# Altium PCB driver_V1.2.3.PcbDoc (part 2 of 2)
Units mm, origin at the board's own origin, x right, y up, seen from the top; angles counter-clockwise.
Board outline 78.1 x 196 mm, 2 copper layers (Top Layer, Bottom Layer), stack 1.58 mm thick; 265 components, 30 nets, 654 pads, 139 vias.
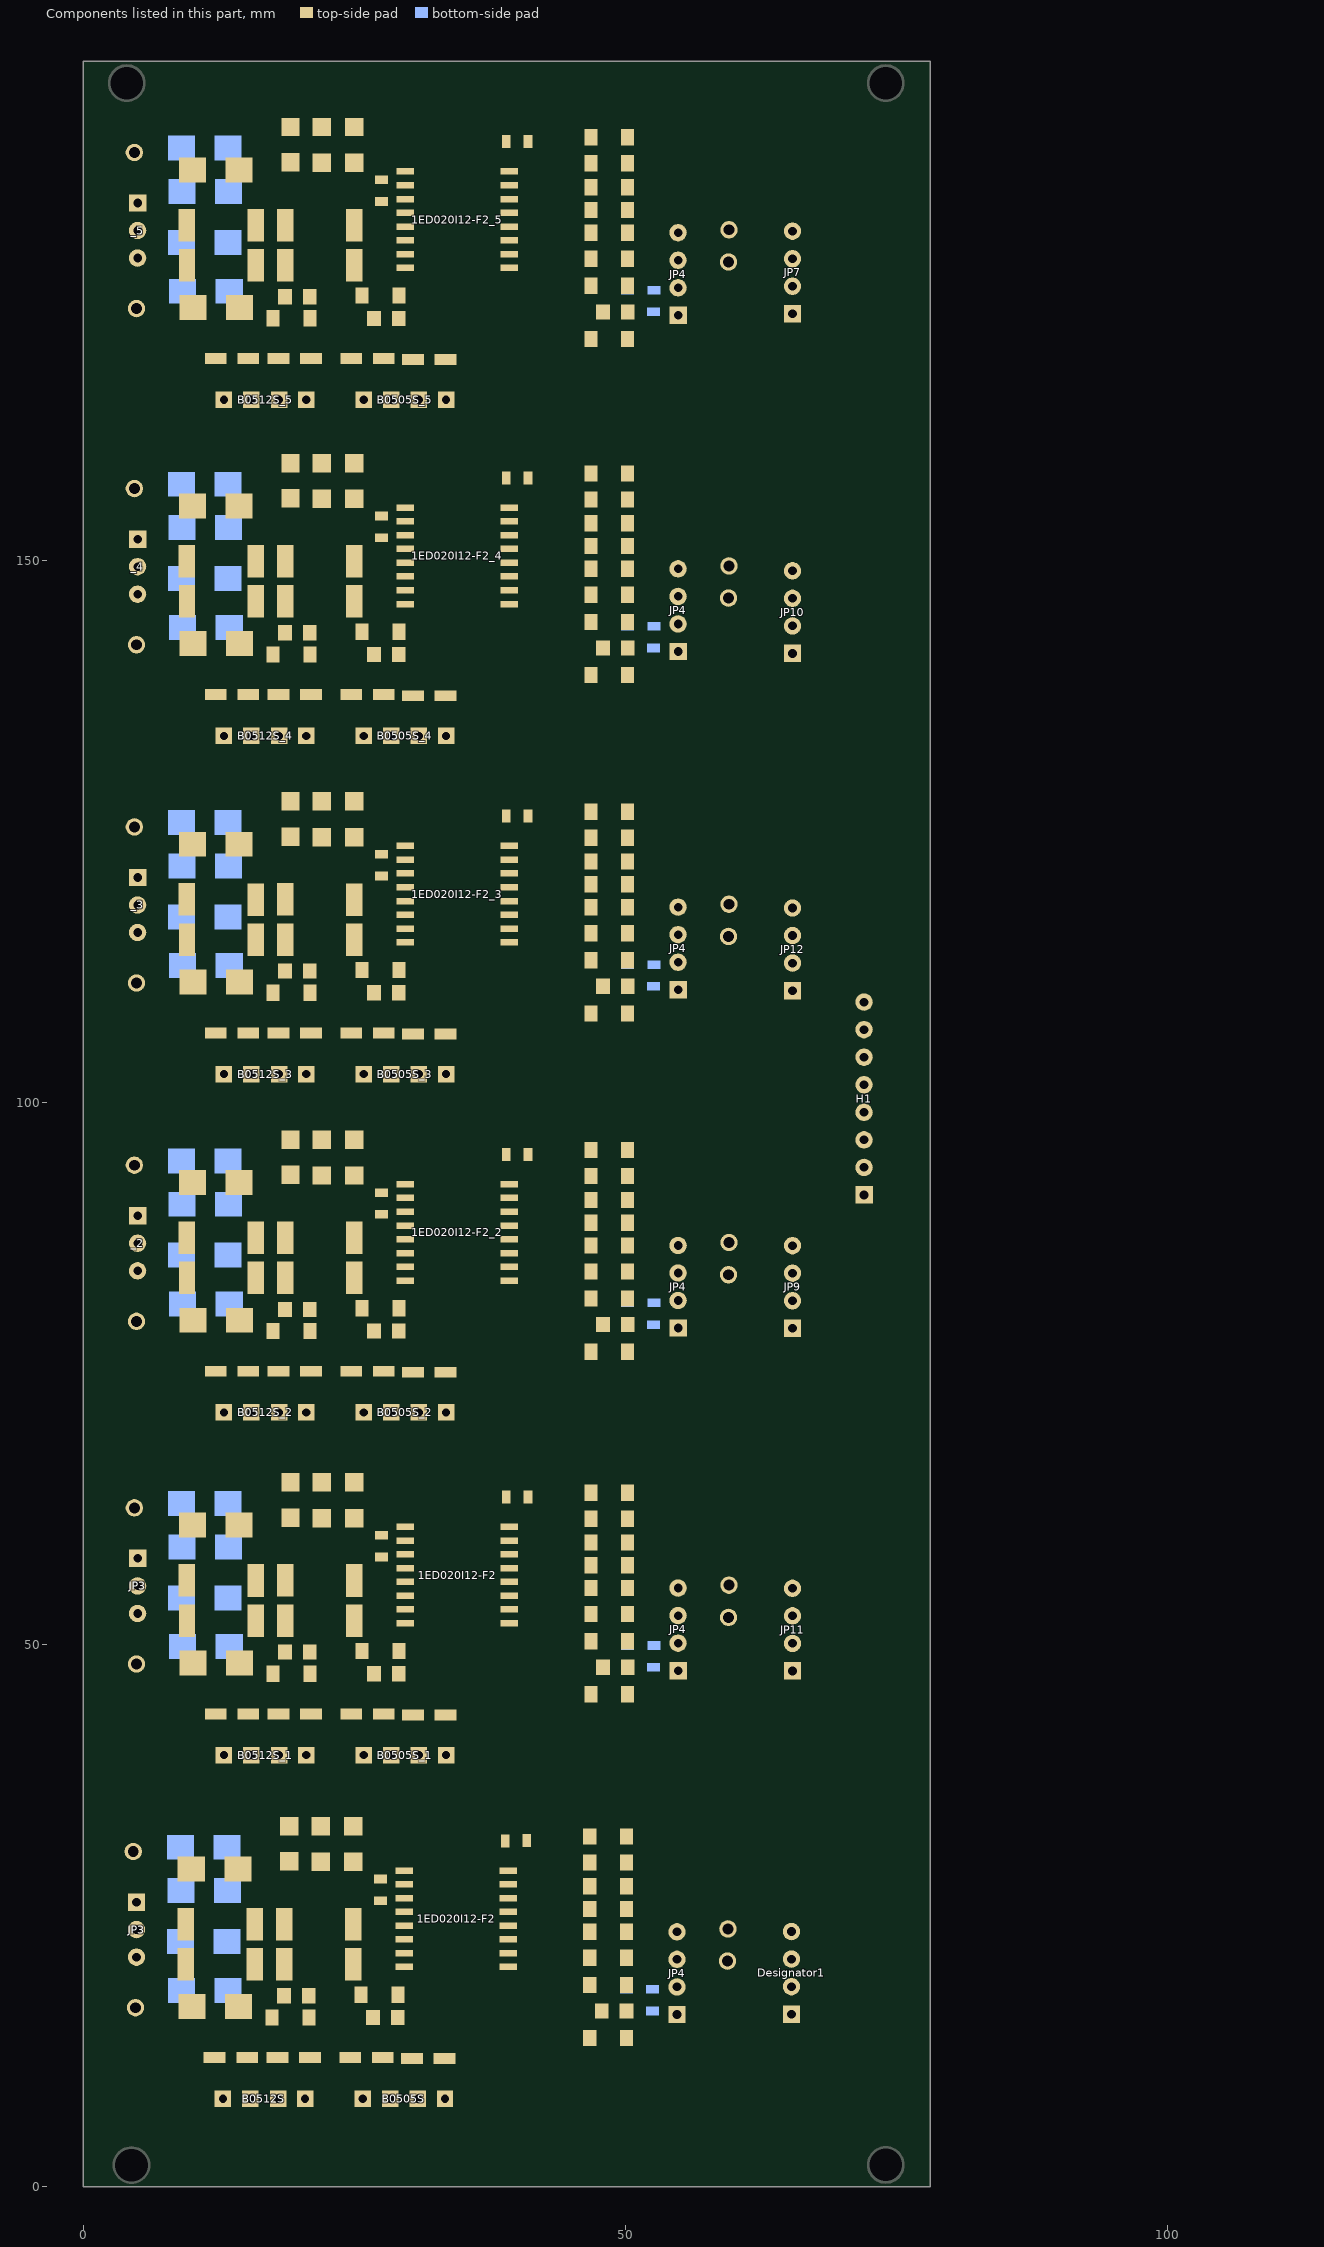
[diagram p2: the components of this part, seen from the top]

## Via types
v1: diameter 1, hole 0.7, Top Layer to Bottom Layer, 139 vias

## Nets (pads, with @x,y where several pads share a name; then routed paths per layer and width w, separated by ;. In a path a pad name is that pad's centre, name@x,y a point inside that pad or via, vN(x,y) a via of type N, cw(c..) or ccw(c..) an arc to the next point about the centre after c; other vN are vias at no path point) (continued)
copper on no net: | length 3642.2
  Top Layer w0.5: 4.9,48.2 10,48.2 10.1,48.3 11.4,49.6 11.4,51.9 12,52.5 15.9,52.5 ; 4.9,79.8 10,79.8 10.1,79.9 11.4,81.2 11.4,83.5 12,84.1 15.9,84.1 ; 4.9,111 10,111 10.1,111.1 11.4,112.4 11.4,114.7 12,115.3 15.9,115.3 ; 4.9,142.2 10,142.2 10.1,142.3 11.4,143.6 11.4,145.9 12,146.5 15.9,146.5 ; 4.9,173.2 10,173.2 10.1,173.3 11.4,174.6 11.4,176.9 12,177.5 15.9,177.5 ; 5,55.4 2,55.4 ; 5,57.94 5,60.4 5.4,60.8 9.25,60.8 9.45,60.6 ; 5,87 2,87 ; 5,89.54 5,92 5.4,92.4 9.25,92.4 9.45,92.2 ; 5,118.2 2,118.2 ; 5,120.74 5,123.2 5.4,123.6 9.25,123.6 9.45,123.4 ; 5,149.4 2,149.4 ; 5,151.94 5,154.4 5.4,154.8 9.25,154.8 9.45,154.6 ; 5,180.4 2,180.4 ; 5,182.94 5,185.4 5.4,185.8 9.25,185.8 9.45,185.6 ; v1(7,51.3) 7,51.7 7.508,52.208 9.549,52.208 ; v1(7,82.9) 7,83.3 7.508,83.808 9.549,83.808 ; v1(7,114.1) 7,114.5 7.508,115.008 9.549,115.008 ; v1(7,145.3) 7,145.7 7.508,146.208 9.549,146.208 ; v1(7,176.3) 7,176.7 7.508,177.208 9.549,177.208 ; v1(9.26,65.22) 16.6,65.22 17.01,64.81 v1@17.01,63.09 ; v1(9.26,96.82) 16.6,96.82 17.01,96.41 v1@17.01,94.69 ; v1(9.26,128.02) 16.6,128.02 17.01,127.61 v1@17.01,125.89 ; v1(9.26,159.22) 16.6,159.22 17.01,158.81 v1@17.01,157.09 ; v1(9.26,190.22) 16.6,190.22 17.01,189.81 v1@17.01,188.09 ; 9.549,56.108 14.35,60.909 14.35,61 ; 9.549,87.708 14.35,92.509 14.35,92.6 ; 9.549,118.908 14.35,123.709 14.35,123.8 ; 9.549,150.108 14.35,154.909 14.35,155 ; 9.549,181.108 14.35,185.909 14.35,186 ; 12.96,39.8 12.2,40.56 12.2,43.6 2.6,43.6 2,44.2 2,55.4 ; 12.96,71.4 12.2,72.16 12.2,75.2 2.6,75.2 2,75.8 2,87 ; 12.96,102.6 12.2,103.36 12.2,106.4 2.6,106.4 2,107 2,118.2 ; 12.96,133.8 12.2,134.56 12.2,137.6 2.6,137.6 2,138.2 2,149.4 ; 12.96,164.8 12.2,165.56 12.2,168.6 2.6,168.6 2,169.2 2,180.4 ; v1(13.35,56.7) 15.1,56.7 15.9,55.9 15.9,58.7 16.93,59.73 29.53,59.73 29.684,59.576 ; v1(13.35,88.3) 15.1,88.3 15.9,87.5 15.9,90.3 16.93,91.33 29.53,91.33 29.684,91.176 ; v1(13.35,119.5) 15.1,119.5 15.9,118.7 15.9,121.5 16.93,122.53 29.53,122.53 29.684,122.376 ; v1(13.35,150.7) 15.1,150.7 15.9,149.9 15.9,152.7 16.93,153.73 29.53,153.73 29.684,153.576 ; v1(13.35,181.7) 15.1,181.7 15.9,180.9 15.9,183.7 16.93,184.73 29.53,184.73 29.684,184.576 ; 15.5,39.8 15.2,40.1 15.2,43.6 15.2,47.5 14.4,48.3 15.4,49.3 18.6,49.3 ; 15.5,71.4 15.2,71.7 15.2,75.2 15.2,79.1 14.4,79.9 15.4,80.9 18.6,80.9 ; 15.5,102.6 15.2,102.9 15.2,106.4 15.2,110.3 14.4,111.1 15.4,112.1 18.6,112.1 ; 15.5,133.8 15.2,134.1 15.2,137.6 15.2,141.5 14.4,142.3 15.4,143.3 18.6,143.3 ; 15.5,164.8 15.2,165.1 15.2,168.6 15.2,172.5 14.4,173.3 15.4,174.3 18.6,174.3 ; 15.9,52.2 16.1,52.4 18.442,52.4 18.634,52.208 18.634,55.908 ; 15.9,83.8 16.1,84 18.442,84 18.634,83.808 18.634,87.508 ; 15.9,115 16.1,115.2 18.442,115.2 18.634,115.008 18.634,118.708 ; 15.9,146.2 16.1,146.4 18.442,146.4 18.634,146.208 18.634,149.908 ; 15.9,177.2 16.1,177.4 18.442,177.4 18.634,177.208 18.634,180.908 ; v1(17,63.1) v1@17.01,63.09 ; v1(17,94.7) v1@17.01,94.69 ; v1(17,125.9) v1@17.01,125.89 ; v1(17,157.1) v1@17.01,157.09 ; v1(17,188.1) v1@17.01,188.09 ; v1@17.5,45.7 17.5,47.3 ; v1@17.5,77.3 17.5,78.9 ; v1@17.5,108.5 17.5,110.1 ; v1@17.5,139.7 17.5,141.3 ; v1@17.5,170.7 17.5,172.3 ; 18,43.6 18,39.85 18.05,39.8 18.05,38.15 18.7,37.5 30.1,37.5 30.565,37.965 ; 18,75.2 18,71.45 18.05,71.4 18.05,69.75 18.7,69.1 30.1,69.1 30.565,69.565 ; 18,106.4 18,102.65 18.05,102.6 18.05,100.95 18.7,100.3 30.1,100.3 30.565,100.765 ; 18,137.6 18,133.85 18.05,133.8 18.05,132.15 18.7,131.5 30.1,131.5 30.565,131.965 ; 18,168.6 18,164.85 18.05,164.8 18.05,163.15 18.7,162.5 30.1,162.5 30.565,162.965 ; 19.1,61.7 17.4,61.7 17.01,62.09 v1@17.01,63.09 ; 19.1,93.3 17.4,93.3 17.01,93.69 v1@17.01,94.69 ; 19.1,124.5 17.4,124.5 17.01,124.89 v1@17.01,125.89 ; 19.1,155.7 17.4,155.7 17.01,156.09 v1@17.01,157.09 ; 19.1,186.7 17.4,186.7 17.01,187.09 v1@17.01,188.09 ; 20.55,39.8 21,40.25 21,43.6 ; 20.55,71.4 21,71.85 21,75.2 ; 20.55,102.6 21,103.05 21,106.4 ; 20.55,133.8 21,134.25 21,137.6 ; 20.55,164.8 21,165.25 21,168.6 ; v1(20.65,56.46) 20.65,57.85 21.25,58.45 29.54,58.45 29.684,58.306 29.684,57.036 ; v1(20.65,88.06) 20.65,89.45 21.25,90.05 29.54,90.05 29.684,89.906 29.684,88.636 ; v1(20.65,119.26) 20.65,120.65 21.25,121.25 29.54,121.25 29.684,121.106 29.684,119.836 ; v1(20.65,150.46) 20.65,151.85 21.25,152.45 29.54,152.45 29.684,152.306 29.684,151.036 ; v1(20.65,181.46) 20.65,182.85 21.25,183.45 29.54,183.45 29.684,183.306 29.684,182.036 ; 20.886,49.3 20.886,47.314 20.9,47.3 ; 20.886,80.9 20.886,78.914 20.9,78.9 ; 20.886,112.1 20.886,110.114 20.9,110.1 ; 20.886,143.3 20.886,141.314 20.9,141.3 ; 20.886,174.3 20.886,172.314 20.9,172.3 ; 22,61.65 25,61.65 27.4,61.65 ; 22,93.25 25,93.25 27.4,93.25 ; 22,124.45 25,124.45 27.4,124.45 ; 22,155.65 25,155.65 27.4,155.65 ; 22,186.65 25,186.65 27.4,186.65 ; v1(23.06,56.52) 24.365,56.52 24.985,55.9 24.985,55.415 25.9,54.5 28.357,54.5 28.361,54.496 29.684,54.496 ; v1(23.06,88.12) 24.365,88.12 24.985,87.5 24.985,87.015 25.9,86.1 28.357,86.1 28.361,86.096 29.684,86.096 ; v1(23.06,119.32) 24.365,119.32 24.985,118.7 24.985,118.215 25.9,117.3 28.357,117.3 28.361,117.296 29.684,117.296 ; v1(23.06,150.52) 24.365,150.52 24.985,149.9 24.985,149.415 25.9,148.5 28.357,148.5 28.361,148.496 29.684,148.496 ; v1(23.06,181.52) 24.365,181.52 24.985,180.9 24.985,180.415 25.9,179.5 28.357,179.5 28.361,179.496 29.684,179.496 ; 24.985,52.5 25.711,53.226 29.684,53.226 ; 24.985,84.1 25.711,84.826 29.684,84.826 ; 24.985,115.3 25.711,116.026 29.684,116.026 ; 24.985,146.5 25.711,147.226 29.684,147.226 ; 24.985,177.5 25.711,178.226 29.684,178.226 ; 25,64.95 22,64.95 19.1,64.95 19.1,66.2 18.7,66.6 5.1,66.6 4.7,66.2 4.7,62.6 2.4,62.6 2,62.2 2,55.4 ; 25,96.55 22,96.55 19.1,96.55 19.1,97.8 18.7,98.2 5.1,98.2 4.7,97.8 4.7,94.2 2.4,94.2 2,93.8 2,87 ; 25,127.75 22,127.75 19.1,127.75 19.1,129 18.7,129.4 5.1,129.4 4.7,129 4.7,125.4 2.4,125.4 2,125 2,118.2 ; 25,158.95 22,158.95 19.1,158.95 19.1,160.2 18.7,160.6 5.1,160.6 4.7,160.2 4.7,156.6 2.4,156.6 2,156.2 2,149.4 ; 25,189.95 22,189.95 19.1,189.95 19.1,191.2 18.7,191.6 5.1,191.6 4.7,191.2 4.7,187.6 2.4,187.6 2,187.2 2,180.4 ; v1(25.3,47.2) 25.4,47.3 26.8,47.3 ; v1(25.3,78.8) 25.4,78.9 26.8,78.9 ; v1(25.3,110) 25.4,110.1 26.8,110.1 ; v1(25.3,141.2) 25.4,141.3 26.8,141.3 ; v1(25.3,172.2) 25.4,172.3 26.8,172.3 ; 25.7,49.4 24.4,49.4 23.7,48.7 23.7,44.6 24.7,43.6 25.2,43.1 25.2,40.46 25.86,39.8 ; 25.7,81 24.4,81 23.7,80.3 23.7,76.2 24.7,75.2 25.2,74.7 25.2,72.06 25.86,71.4 ; 25.7,112.2 24.4,112.2 23.7,111.5 23.7,107.4 24.7,106.4 25.2,105.9 25.2,103.26 25.86,102.6 ; 25.7,143.4 24.4,143.4 23.7,142.7 23.7,138.6 24.7,137.6 25.2,137.1 25.2,134.46 25.86,133.8 ; 25.7,174.4 24.4,174.4 23.7,173.7 23.7,169.6 24.7,168.6 25.2,168.1 25.2,165.46 25.86,164.8 ; 26.8,47 27,46.8 27,43.9 27.3,43.6 27.7,43.6 27.7,40.5 28.4,39.8 ; 26.8,78.6 27,78.4 27,75.5 27.3,75.2 27.7,75.2 27.7,72.1 28.4,71.4 ; 26.8,109.8 27,109.6 27,106.7 27.3,106.4 27.7,106.4 27.7,103.3 28.4,102.6 ; 26.8,141 27,140.8 27,137.9 27.3,137.6 27.7,137.6 27.7,134.5 28.4,133.8 ; 26.8,172 27,171.8 27,168.9 27.3,168.6 27.7,168.6 27.7,165.5 28.4,164.8 ; v1(27.156,51.956) 29.684,51.956 31.044,51.956 31.4,51.6 v1(31.4,49.5) ; v1(27.156,83.556) 29.684,83.556 31.044,83.556 31.4,83.2 v1(31.4,81.1) ; v1(27.156,114.756) 29.684,114.756 31.044,114.756 31.4,114.4 v1(31.4,112.3) ; v1(27.156,145.956) 29.684,145.956 31.044,145.956 31.4,145.6 v1(31.4,143.5) ; v1(27.156,176.956) 29.684,176.956 31.044,176.956 31.4,176.6 v1(31.4,174.5) ; v1(27.466,55.766) 29.684,55.766 ; v1(27.466,87.366) 29.684,87.366 ; v1(27.466,118.566) 29.684,118.566 ; v1(27.466,149.766) 29.684,149.766 ; v1(27.466,180.766) 29.684,180.766 ; 27.483,58.07 27.483,58.353 27.53,58.4 ; 27.483,89.67 27.483,89.953 27.53,90 ; 27.483,120.87 27.483,121.153 27.53,121.2 ; 27.483,152.07 27.483,152.353 27.53,152.4 ; 27.483,183.07 27.483,183.353 27.53,183.4 ; 29.1,47.314 29.1,49.4 ; 29.1,78.914 29.1,81 ; 29.1,110.114 29.1,112.2 ; 29.1,141.314 29.1,143.4 ; 29.1,172.314 29.1,174.4 ; v1(29.6,64) 27.8,64 27.4,63.6 27.4,61.65 ; v1(29.6,95.6) 27.8,95.6 27.4,95.2 27.4,93.25 ; v1(29.6,126.8) 27.8,126.8 27.4,126.4 27.4,124.45 ; v1(29.6,158) 27.8,158 27.4,157.6 27.4,155.65 ; v1(29.6,189) 27.8,189 27.4,188.6 27.4,186.65 ; 29.684,60.846 29.684,61.216 29.25,61.65 27.4,61.65 ; 29.684,92.446 29.684,92.816 29.25,93.25 27.4,93.25 ; 29.684,123.646 29.684,124.016 29.25,124.45 27.4,124.45 ; 29.684,154.846 29.684,155.216 29.25,155.65 27.4,155.65 ; 29.684,185.846 29.684,186.216 29.25,186.65 27.4,186.65 ; 30.4,43.5 30.4,40.35 30.95,39.8 30.95,38.35 30.565,37.965 ; 30.4,75.1 30.4,71.95 30.95,71.4 30.95,69.95 30.565,69.565 ; 30.4,106.3 30.4,103.15 30.95,102.6 30.95,101.15 30.565,100.765 ; 30.4,137.5 30.4,134.35 30.95,133.8 30.95,132.35 30.565,131.965 ; 30.4,168.5 30.4,165.35 30.95,164.8 30.95,163.35 30.565,162.965 ; 33.45,39.8 33.4,39.85 33.4,43.5 38.12,43.5 39.284,44.664 39.284,51.956 ; 33.45,71.4 33.4,71.45 33.4,75.1 38.12,75.1 39.284,76.264 39.284,83.556 ; 33.45,102.6 33.4,102.65 33.4,106.3 38.12,106.3 39.284,107.464 39.284,114.756 ; 33.45,133.8 33.4,133.85 33.4,137.5 38.12,137.5 39.284,138.664 39.284,145.956 ; 33.45,164.8 33.4,164.85 33.4,168.5 38.12,168.5 39.284,169.664 39.284,176.956 ; v1(38.842,65.681) 39,65.523 39,63.597 39,61.13 39.284,60.846 ; v1(38.842,97.281) 39,97.123 39,95.197 39,92.73 39.284,92.446 ; v1(38.842,128.481) 39,128.323 39,126.397 39,123.93 39.284,123.646 ; v1(38.842,159.681) 39,159.523 39,157.597 39,155.13 39.284,154.846 ; v1(38.842,190.681) 39,190.523 39,188.597 39,186.13 39.284,185.846 ; 39.284,53.226 46.374,53.226 46.8,52.8 46.8,50.3 ; 39.284,54.496 46.096,54.496 46.8,55.2 46.8,57.3 ; 39.284,55.766 44.666,55.766 45.45,56.55 45.45,58.95 45.9,59.4 46.8,59.4 ; 39.284,57.036 43.936,57.036 44.45,57.55 44.45,61.25 44.8,61.6 46.8,61.6 ; 39.284,58.306 42.606,58.306 43.45,59.15 43.45,63.55 43.9,64 46.8,64 ; 39.284,59.576 40.676,59.576 41,59.9 41,63.6 41,65.8 41.4,66.2 49.3,66.2 50.2,65.3 50.2,64 50.2,61.6 50.2,59.7 ; 39.284,84.826 46.374,84.826 46.8,84.4 46.8,81.9 ; 39.284,86.096 46.096,86.096 46.8,86.8 46.8,88.9 ; 39.284,87.366 44.666,87.366 45.45,88.15 45.45,90.55 45.9,91 46.8,91 ; 39.284,88.636 43.936,88.636 44.45,89.15 44.45,92.85 44.8,93.2 46.8,93.2 ; 39.284,89.906 42.606,89.906 43.45,90.75 43.45,95.15 43.9,95.6 46.8,95.6 ; 39.284,91.176 40.676,91.176 41,91.5 41,95.2 41,97.4 41.4,97.8 49.3,97.8 50.2,96.9 50.2,95.6 50.2,93.2 50.2,91.3 ; 39.284,116.026 46.374,116.026 46.8,115.6 46.8,113.1 ; 39.284,117.296 46.096,117.296 46.8,118 46.8,120.1 ; 39.284,118.566 44.666,118.566 45.45,119.35 45.45,121.75 45.9,122.2 46.8,122.2 ; 39.284,119.836 43.936,119.836 44.45,120.35 44.45,124.05 44.8,124.4 46.8,124.4 ; 39.284,121.106 42.606,121.106 43.45,121.95 43.45,126.35 43.9,126.8 46.8,126.8 ; 39.284,122.376 40.676,122.376 41,122.7 41,126.4 41,128.6 41.4,129 49.3,129 50.2,128.1 50.2,126.8 50.2,124.4 50.2,122.5 ; 39.284,147.226 46.374,147.226 46.8,146.8 46.8,144.3 ; 39.284,148.496 46.096,148.496 46.8,149.2 46.8,151.3 ; 39.284,149.766 44.666,149.766 45.45,150.55 45.45,152.95 45.9,153.4 46.8,153.4 ; 39.284,151.036 43.936,151.036 44.45,151.55 44.45,155.25 44.8,155.6 46.8,155.6 ; 39.284,152.306 42.606,152.306 43.45,153.15 43.45,157.55 43.9,158 46.8,158 ; 39.284,153.576 40.676,153.576 41,153.9 41,157.6 41,159.8 41.4,160.2 49.3,160.2 50.2,159.3 50.2,158 50.2,155.6 50.2,153.7 ; 39.284,178.226 46.374,178.226 46.8,177.8 46.8,175.3 ; 39.284,179.496 46.096,179.496 46.8,180.2 46.8,182.3 ; 39.284,180.766 44.666,180.766 45.45,181.55 45.45,183.95 45.9,184.4 46.8,184.4 ; 39.284,182.036 43.936,182.036 44.45,182.55 44.45,186.25 44.8,186.6 46.8,186.6 ; 39.284,183.306 42.606,183.306 43.45,184.15 43.45,188.55 43.9,189 46.8,189 ; 39.284,184.576 40.676,184.576 41,184.9 41,188.6 41,190.8 41.4,191.2 49.3,191.2 50.2,190.3 50.2,189 50.2,186.6 50.2,184.7 ; 46.5,45.7 46.8,45.4 46.8,47.6 47.1,47.9 47.914,47.9 ; 46.5,77.3 46.8,77 46.8,79.2 47.1,79.5 47.914,79.5 ; 46.5,108.5 46.8,108.2 46.8,110.4 47.1,110.7 47.914,110.7 ; 46.5,139.7 46.8,139.4 46.8,141.6 47.1,141.9 47.914,141.9 ; 46.5,170.7 46.8,170.4 46.8,172.6 47.1,172.9 47.914,172.9 ; 50.2,50.3 50.2,47.9 54.118,47.9 54.853,47.9 54.853,47.583 54.85,47.58 ; 50.2,52.8 59.2,52.8 59.5,52.5 ; 50.2,55.2 54.72,55.2 54.86,55.34 55.1,55.1 59.17,55.1 59.54,55.47 ; 50.2,57.3 50.2,59.4 50.2,59.7 ; 50.2,81.9 50.2,79.5 54.53,79.5 ; 50.2,84.4 59.2,84.4 59.5,84.1 ; 50.2,86.8 54.72,86.8 54.86,86.94 55.1,86.7 59.17,86.7 59.54,87.07 ; 50.2,88.9 50.2,91 50.2,91.3 ; 50.2,113.1 50.2,110.7 54.53,110.7 ; 50.2,115.6 59.2,115.6 59.5,115.3 ; 50.2,118 54.72,118 54.86,118.14 55.1,117.9 59.17,117.9 59.54,118.27 ; 50.2,120.1 50.2,122.2 50.2,122.5 ; 50.2,144.3 50.2,141.9 54.53,141.9 ; 50.2,146.8 59.2,146.8 59.5,146.5 ; 50.2,149.2 54.72,149.2 54.86,149.34 55.1,149.1 59.17,149.1 59.54,149.47 ; 50.2,151.3 50.2,153.4 50.2,153.7 ; 50.2,175.3 50.2,172.9 54.53,172.9 54.85,172.58 ; 50.2,177.8 59.2,177.8 59.5,177.5 ; 50.2,180.2 54.72,180.2 54.86,180.34 55.1,180.1 59.17,180.1 59.54,180.47 ; 50.2,182.3 50.2,184.4 50.2,184.7 ; 54.85,50.12 63.1,50.12 ; 54.85,81.72 63.1,81.72 ; 54.85,112.92 63.1,112.92 ; 54.85,144.12 63.1,144.12 ; 54.85,175.12 63.1,175.12 ; 30.565,37.965 48.135,37.965 50.2,40.03 50.2,45.4 50.44,45.16 61.26,45.16 61.3,45.2 62.9,45.2 63.1,45.4 63.1,50.12 ; 30.565,69.565 48.135,69.565 50.2,71.63 50.2,77 50.44,76.76 61.26,76.76 61.3,76.8 62.9,76.8 63.1,77 63.1,81.72 ; 30.565,100.765 48.135,100.765 50.2,102.83 50.2,108.2 50.44,107.96 61.26,107.96 61.3,108 62.9,108 63.1,108.2 63.1,112.92 ; 30.565,131.965 48.135,131.965 50.2,134.03 50.2,139.4 50.44,139.16 61.26,139.16 61.3,139.2 62.9,139.2 63.1,139.4 63.1,144.12 ; 30.565,162.965 48.135,162.965 50.2,165.03 50.2,170.4 50.44,170.16 61.26,170.16 61.3,170.2 62.9,170.2 63.1,170.4 63.1,175.12 ; 50.2,59.7 62.4,59.7 63.1,59 63.1,50.12 ; 50.2,91.3 62.4,91.3 63.1,90.6 63.1,81.72 ; 50.2,122.5 62.4,122.5 63.1,121.8 63.1,112.92 ; 50.2,153.7 62.4,153.7 63.1,153 63.1,144.12 ; 50.2,184.7 62.4,184.7 63.1,184 63.1,175.12
  Bottom Layer w0.5: 4.9,48.2 5,48.3 5,52.86 4.86,53 1.9,53 1.4,53.5 1.4,66.1 2,66.7 12.9,66.7 13.35,66.25 13.35,63 ; 4.9,79.8 5,79.9 5,84.46 4.86,84.6 1.9,84.6 1.4,85.1 1.4,97.7 2,98.3 12.9,98.3 13.35,97.85 13.35,94.6 ; 4.9,111 5,111.1 5,115.66 4.86,115.8 1.9,115.8 1.4,116.3 1.4,128.9 2,129.5 12.9,129.5 13.35,129.05 13.35,125.8 ; 4.9,142.2 5,142.3 5,146.86 4.86,147 1.9,147 1.4,147.5 1.4,160.1 2,160.7 12.9,160.7 13.35,160.25 13.35,157 ; 4.9,173.2 5,173.3 5,177.86 4.86,178 1.9,178 1.4,178.5 1.4,191.1 2,191.7 12.9,191.7 13.35,191.25 13.35,188 ; 5,55.4 7.95,55.4 9.05,54.3 ; 5,87 7.95,87 9.05,85.9 ; 5,118.2 7.95,118.2 9.05,117.1 ; 5,149.4 7.95,149.4 9.05,148.3 ; 5,180.4 7.95,180.4 9.05,179.3 ; v1(7,51.3) 7,50.3 7.5,49.8 9.15,49.8 ; v1(7,82.9) 7,81.9 7.5,81.4 9.15,81.4 ; v1(7,114.1) 7,113.1 7.5,112.6 9.15,112.6 ; v1(7,145.3) 7,144.3 7.5,143.8 9.15,143.8 ; v1(7,176.3) 7,175.3 7.5,174.8 9.15,174.8 ; 9.05,59 9.05,63 9.05,65.01 v1(9.26,65.22) ; 9.05,90.6 9.05,94.6 9.05,96.61 v1(9.26,96.82) ; 9.05,121.8 9.05,125.8 9.05,127.81 v1(9.26,128.02) ; 9.05,153 9.05,157 9.05,159.01 v1(9.26,159.22) ; 9.05,184 9.05,188 9.05,190.01 v1(9.26,190.22) ; 12.96,39.8 12.96,44.66 13.8,45.5 v1(17.5,45.5) 24.6,45.5 25.3,46.2 v1(25.3,47.2) 25.3,58.9 24.7,59.5 21.3,59.5 20.65,58.85 v1(20.65,56.46) ; 12.96,71.4 12.96,76.26 13.8,77.1 v1(17.5,77.1) 24.6,77.1 25.3,77.8 v1(25.3,78.8) 25.3,90.5 24.7,91.1 21.3,91.1 20.65,90.45 v1(20.65,88.06) ; 12.96,102.6 12.96,107.46 13.8,108.3 v1(17.5,108.3) 24.6,108.3 25.3,109 v1(25.3,110) 25.3,121.7 24.7,122.3 21.3,122.3 20.65,121.65 v1(20.65,119.26) ; 12.96,133.8 12.96,138.66 13.8,139.5 v1(17.5,139.5) 24.6,139.5 25.3,140.2 v1(25.3,141.2) 25.3,152.9 24.7,153.5 21.3,153.5 20.65,152.85 v1(20.65,150.46) ; 12.96,164.8 12.96,169.66 13.8,170.5 v1(17.5,170.5) 24.6,170.5 25.3,171.2 v1(25.3,172.2) 25.3,183.9 24.7,184.5 21.3,184.5 20.65,183.85 v1(20.65,181.46) ; 13.35,54.3 v1(13.35,56.7) 13.35,59 ; 13.35,85.9 v1(13.35,88.3) 13.35,90.6 ; 13.35,117.1 v1(13.35,119.5) 13.35,121.8 ; 13.35,148.3 v1(13.35,150.7) 13.35,153 ; 13.35,179.3 v1(13.35,181.7) 13.35,184 ; 13.45,49.8 22.5,49.8 23.06,50.36 v1(23.06,56.52) ; 13.45,81.4 22.5,81.4 23.06,81.96 v1(23.06,88.12) ; 13.45,112.6 22.5,112.6 23.06,113.16 v1(23.06,119.32) ; 13.45,143.8 22.5,143.8 23.06,144.36 v1(23.06,150.52) ; 13.45,174.8 22.5,174.8 23.06,175.36 v1(23.06,181.52) ; 15.5,39.8 15.5,42.4 16.6,43.5 26.1,43.5 27.156,44.556 v1(27.156,51.956) ; 15.5,71.4 15.5,74 16.6,75.1 26.1,75.1 27.156,76.156 v1(27.156,83.556) ; 15.5,102.6 15.5,105.2 16.6,106.3 26.1,106.3 27.156,107.356 v1(27.156,114.756) ; 15.5,133.8 15.5,136.4 16.6,137.5 26.1,137.5 27.156,138.556 v1(27.156,145.956) ; 15.5,164.8 15.5,167.4 16.6,168.5 26.1,168.5 27.156,169.556 v1(27.156,176.956) ; v1(17,63.1) 26.9,63.1 27.466,62.534 v1(27.466,55.766) 28.134,55.766 28.5,55.4 28.5,43.7 25.86,41.06 25.86,39.8 ; v1(17,94.7) 26.9,94.7 27.466,94.134 v1(27.466,87.366) 28.134,87.366 28.5,87 28.5,75.3 25.86,72.66 25.86,71.4 ; v1(17,125.9) 26.9,125.9 27.466,125.334 v1(27.466,118.566) 28.134,118.566 28.5,118.2 28.5,106.5 25.86,103.86 25.86,102.6 ; v1(17,157.1) 26.9,157.1 27.466,156.534 v1(27.466,149.766) 28.134,149.766 28.5,149.4 28.5,137.7 25.86,135.06 25.86,133.8 ; v1(17,188.1) 26.9,188.1 27.466,187.534 v1(27.466,180.766) 28.134,180.766 28.5,180.4 28.5,168.7 25.86,166.06 25.86,164.8 ; 20.55,39.8 20.55,38.35 20.8,38.1 32.7,38.1 33.45,38.85 33.45,39.8 ; 20.55,71.4 20.55,69.95 20.8,69.7 32.7,69.7 33.45,70.45 33.45,71.4 ; 20.55,102.6 20.55,101.15 20.8,100.9 32.7,100.9 33.45,101.65 33.45,102.6 ; 20.55,133.8 20.55,132.35 20.8,132.1 32.7,132.1 33.45,132.85 33.45,133.8 ; 20.55,164.8 20.55,163.35 20.8,163.1 32.7,163.1 33.45,163.85 33.45,164.8 ; v1(29.6,64) 29.9,63.7 29.9,49.7 30.1,49.5 v1(31.4,49.5) ; v1(29.6,95.6) 29.9,95.3 29.9,81.3 30.1,81.1 v1(31.4,81.1) ; v1(29.6,126.8) 29.9,126.5 29.9,112.5 30.1,112.3 v1(31.4,112.3) ; v1(29.6,158) 29.9,157.7 29.9,143.7 30.1,143.5 v1(31.4,143.5) ; v1(29.6,189) 29.9,188.7 29.9,174.7 30.1,174.5 v1(31.4,174.5) ; 30.7,40.05 30.95,39.8 ; 30.7,71.65 30.95,71.4 ; 30.7,102.85 30.95,102.6 ; 30.7,134.05 30.95,133.8 ; 30.7,165.05 30.95,164.8 ; 33,40.25 33.45,39.8 ; 33,71.85 33.45,71.4 ; 33,103.05 33.45,102.6 ; 33,134.25 33.45,133.8 ; 33,165.25 33.45,164.8 ; 38.659,45.816 v1@38.659,65.681 ; 38.659,77.416 v1@38.659,97.281 ; 38.659,108.616 v1@38.659,128.481 ; 38.659,139.816 v1@38.659,159.681 ; 38.659,170.816 v1@38.659,190.681 ; v1(42.917,53.17) 42.917,50.183 43.2,49.9 50.2,49.9 ; v1(42.917,84.77) 42.917,81.783 43.2,81.5 50.2,81.5 ; v1(42.917,115.97) 42.917,112.983 43.2,112.7 50.2,112.7 ; v1(42.917,147.17) 42.917,144.183 43.2,143.9 50.2,143.9 ; v1(42.917,178.17) 42.917,175.183 43.2,174.9 50.2,174.9 ; v1(44.727,54.499) 44.727,51.773 45.06,51.44 52.26,51.44 52.603,51.097 52.603,49.9 ; v1(44.727,86.099) 44.727,83.373 45.06,83.04 52.26,83.04 52.603,82.697 52.603,81.5 ; v1(44.727,117.299) 44.727,114.573 45.06,114.24 52.26,114.24 52.603,113.897 52.603,112.7 ; v1(44.727,148.499) 44.727,145.773 45.06,145.44 52.26,145.44 52.603,145.097 52.603,143.9 ; v1(44.727,179.499) 44.727,176.773 45.06,176.44 52.26,176.44 52.603,176.097 52.603,174.9 ; 54.9,47.7 54.7,47.9 52.6,47.9 50.197,47.9 50.197,46.097 49.9,45.8 34.2,45.8 33.45,45.05 33.45,39.8 ; 54.9,79.3 54.7,79.5 52.6,79.5 50.197,79.5 50.197,77.697 49.9,77.4 34.2,77.4 33.45,76.65 33.45,71.4 ; 54.9,110.5 54.7,110.7 52.6,110.7 50.197,110.7 50.197,108.897 49.9,108.6 34.2,108.6 33.45,107.85 33.45,102.6 ; 54.9,141.7 54.7,141.9 52.6,141.9 50.197,141.9 50.197,140.097 49.9,139.8 34.2,139.8 33.45,139.05 33.45,133.8 ; 54.9,172.7 54.7,172.9 52.6,172.9 50.197,172.9 50.197,171.097 49.9,170.8 34.2,170.8 33.45,170.05 33.45,164.8
  other v1: 4,41 5.6,41 36.8,41.7 38.4,41.7 4,42.7 5.5,42.7 36.8,43.4 38.3,43.4 4,72.6 5.6,72.6 36.8,73.3 38.4,73.3 4,74.3 5.5,74.3 36.8,75 38.3,75 4,103.8 5.6,103.8 36.8,104.5 38.4,104.5 4,105.5 5.5,105.5 36.8,106.2 38.3,106.2 4,135 5.6,135 36.8,135.7 38.4,135.7 4,136.7 5.5,136.7 36.8,137.4 38.3,137.4 4,166 5.6,166 36.8,166.7 38.4,166.7 4,167.7 5.5,167.7 36.8,168.4 38.3,168.4

## Keep-outs
Keep-Out Layer:
  lines w0.05: 0,0 0,196 75.6,196 77.6,196 78.1,196 78.1,194.1 78.1,0 0,0

## Other copper
Top Layer:
  drawing of 205 lines, arcs and shapes, not listed
Bottom Layer:
  region net Net10_1: 51.9,17.8 51.9,19.4 44.2,19.4 44.2,22.1 44,22.3 44,23.8 45.8,23.8 45.6,23.6 45.6,20.5 51.8,20.5 52.9,20.5 52.9,19.9 53.2,19.6 53.2,17.8
  region net Net14_10: 50.7,17.6 42,17.6 42,22.5 42.1,22.6 43.3,22.6 43.3,18.7 50.7,18.7
  region net GND_D: 32.5,9.4 32.5,15.1 37.8,15.1 37.8,31 36.3,31 36.3,35.1 36.4,35.2 41,35.2 41,17 49.7,17 54,17 54.63,17 54.63,15 52.6,15 52.6,5.1 32.6,5.1 32.6,7 32.5,7.1
  region net 5V_D: 30.1,7.3 30,7.4 30,9.4 31.7,9.4 31.7,7.4 31.8,7.3
  region net GND_D: 19.6,9 19.6,5.3 19.8,5.1 34.1,5.1 34.1,9.4 32.5,9.4 32.5,6.8 32.3,6.6 21.4,6.6 21.4,9
  region net -5V: 33.9,16.5 33.9,19 31,19 30.4,19.6 30.4,31.4 31.7,31.4 31.7,33.5 28.7,33.5 28.7,31.7 29.4,31.7 29.4,16.5
  region net 12V: 15.9,30.9 15.9,32.3 16.1,32.5 26.6,32.5 28.9,30.2 28.9,23.9 28.9,11.1 28.9,9.6 27.4,9.6 26.6,9.6 26.6,7.2 24.9,7.2 24.8,7.3 24.9,7.4 24.9,10.4 26.4,10.4 28.1,12.1 28.1,23.3 26.8,23.3 26.8,25.3 26.4,25.7 26.4,30.8
  region net Net14_6: 14.5,16.9 12,16.9 12,17 12,17.1 12,19.4 22.1,19.4 22.1,25.7 23.6,25.7 23.8,25.7 23.8,17.9 22.8,16.9
  region net Net19_1: 10.3,17.1 10.3,16.2 6.6,16.2 6.4,16.4 6.4,20 6.4,20.4 6.8,20.4 8.1,20.4 8.1,19.3 10.3,19.3
  region net HS_GND: 13.8,5 0.671,5 0.671,14.6 10.8,14.6 10.8,15.7 12.4,15.7 24.1,15.7 24.1,15.8 24.5,16.2 24.5,26.4 21.4,26.4 21.4,20.5 15.6,20.5 15.6,30.2 23.7,30.2 25.9,30.2 25.9,28 25.9,13.6 25.1,12.8 13.8,12.8
  region net -5V: 14.6,6.8 14.6,12.1 25.6,12.1 26.5,13 26.5,19.3 26.6,19.4 26.5,19.5 26.5,20.6 26.5,21 27.1,21 27.6,21 27.6,12.5 26,10.9 16.3,10.9 16.3,7.5 16.3,6.8 15.6,6.8
  region net HS_GND: 10.2,21.4 7.7,21.4 7.5,21.6 7.5,22.8 4.1,22.8 3.8,23.1 3.8,24.5 10.1,24.5 10.2,24.6
  region net Net14_2: 12.1,21.5 12,21.6 12,28.4 14.5,28.4 14.5,21.5
  region net 12V: 7,33 7,34 8,34 10.3,34 10.3,26.1 7,26.1
  region net HS_GATE: 5.6,15.5 0.8,15.5 0.8,20.5 0.8,35.3 13.7,35.3 15,34 15,29.9 14.3,29.9 12,29.9 12,34.6 3,34.6 3,32.9 3,31.9 3,22.3 3.3,22 5.8,22
  region: 5.7,47.2 0.9,47.2 0.9,52.2 0.9,67 13.8,67 15.1,65.7 15.1,61.6 14.4,61.6 12.1,61.6 12.1,66.3 3.1,66.3 3.1,64.6 3.1,63.6 3.1,54 3.4,53.7 5.9,53.7
  region: 7.1,64.7 7.1,65.7 8.1,65.7 10.4,65.7 10.4,57.8 7.1,57.8
  region: 12.2,53.2 12.1,53.3 12.1,60.1 14.6,60.1 14.6,53.2
  region: 10.3,53.1 7.8,53.1 7.6,53.3 7.6,54.5 4.2,54.5 3.9,54.8 3.9,56.2 10.2,56.2 10.3,56.3
  region: 14.7,38.5 14.7,43.8 25.7,43.8 26.6,44.7 26.6,51 26.7,51.1 26.6,51.2 26.6,52.3 26.6,52.7 27.2,52.7 27.7,52.7 27.7,44.2 26.1,42.6 16.4,42.6 16.4,39.2 16.4,38.5 15.7,38.5
  region: 13.9,36.7 0.771,36.7 0.771,46.3 10.9,46.3 10.9,47.4 12.5,47.4 24.2,47.4 24.2,47.5 24.6,47.9 24.6,58.1 21.5,58.1 21.5,52.2 15.7,52.2 15.7,61.9 23.8,61.9 26,61.9 26,59.7 26,45.3 25.2,44.5 13.9,44.5
  region: 10.4,48.8 10.4,47.9 6.7,47.9 6.5,48.1 6.5,51.7 6.5,52.1 6.9,52.1 8.2,52.1 8.2,51 10.4,51
  region: 14.6,48.6 12.1,48.6 12.1,48.7 12.1,48.8 12.1,51.1 22.2,51.1 22.2,57.4 23.7,57.4 23.9,57.4 23.9,49.6 22.9,48.6
  region: 16,62.6 16,64 16.2,64.2 26.7,64.2 29,61.9 29,55.6 29,42.8 29,41.3 27.5,41.3 26.7,41.3 26.7,38.9 25,38.9 24.9,39 25,39.1 25,42.1 26.5,42.1 28.2,43.8 28.2,55 26.9,55 26.9,57 26.5,57.4 26.5,62.5
  region: 34,48.2 34,50.7 31.1,50.7 30.5,51.3 30.5,63.1 31.8,63.1 31.8,65.2 28.8,65.2 28.8,63.4 29.5,63.4 29.5,48.2
  region: 19.7,40.7 19.7,37 19.9,36.8 34.2,36.8 34.2,41.1 32.6,41.1 32.6,38.5 32.4,38.3 21.5,38.3 21.5,40.7
  region: 30.2,39 30.1,39.1 30.1,41.1 31.8,41.1 31.8,39.1 31.9,39
  region: 32.6,41.1 32.6,46.8 37.9,46.8 37.9,62.7 36.4,62.7 36.4,66.8 36.5,66.9 41.1,66.9 41.1,48.7 49.8,48.7 54.1,48.7 54.73,48.7 54.73,46.7 52.7,46.7 52.7,36.8 32.7,36.8 32.7,38.7 32.6,38.8
  region: 50.8,49.3 42.1,49.3 42.1,54.2 42.2,54.3 43.4,54.3 43.4,50.4 50.8,50.4
  region: 52,49.5 52,51.1 44.3,51.1 44.3,53.8 44.1,54 44.1,55.5 45.9,55.5 45.7,55.3 45.7,52.2 51.9,52.2 53,52.2 53,51.6 53.3,51.3 53.3,49.5
  region: 5.7,78.8 0.9,78.8 0.9,83.8 0.9,98.6 13.8,98.6 15.1,97.3 15.1,93.2 14.4,93.2 12.1,93.2 12.1,97.9 3.1,97.9 3.1,96.2 3.1,95.2 3.1,85.6 3.4,85.3 5.9,85.3
  region: 7.1,96.3 7.1,97.3 8.1,97.3 10.4,97.3 10.4,89.4 7.1,89.4
  region: 12.2,84.8 12.1,84.9 12.1,91.7 14.6,91.7 14.6,84.8
  region: 10.3,84.7 7.8,84.7 7.6,84.9 7.6,86.1 4.2,86.1 3.9,86.4 3.9,87.8 10.2,87.8 10.3,87.9
  region: 14.7,70.1 14.7,75.4 25.7,75.4 26.6,76.3 26.6,82.6 26.7,82.7 26.6,82.8 26.6,83.9 26.6,84.3 27.2,84.3 27.7,84.3 27.7,75.8 26.1,74.2 16.4,74.2 16.4,70.8 16.4,70.1 15.7,70.1
  region: 13.9,68.3 0.771,68.3 0.771,77.9 10.9,77.9 10.9,79 12.5,79 24.2,79 24.2,79.1 24.6,79.5 24.6,89.7 21.5,89.7 21.5,83.8 15.7,83.8 15.7,93.5 23.8,93.5 26,93.5 26,91.3 26,76.9 25.2,76.1 13.9,76.1
  region: 10.4,80.4 10.4,79.5 6.7,79.5 6.5,79.7 6.5,83.3 6.5,83.7 6.9,83.7 8.2,83.7 8.2,82.6 10.4,82.6
  region: 14.6,80.2 12.1,80.2 12.1,80.3 12.1,80.4 12.1,82.7 22.2,82.7 22.2,89 23.7,89 23.9,89 23.9,81.2 22.9,80.2
  region: 16,94.2 16,95.6 16.2,95.8 26.7,95.8 29,93.5 29,87.2 29,74.4 29,72.9 27.5,72.9 26.7,72.9 26.7,70.5 25,70.5 24.9,70.6 25,70.7 25,73.7 26.5,73.7 28.2,75.4 28.2,86.6 26.9,86.6 26.9,88.6 26.5,89 26.5,94.1
  region: 34,79.8 34,82.3 31.1,82.3 30.5,82.9 30.5,94.7 31.8,94.7 31.8,96.8 28.8,96.8 28.8,95 29.5,95 29.5,79.8
  region: 19.7,72.3 19.7,68.6 19.9,68.4 34.2,68.4 34.2,72.7 32.6,72.7 32.6,70.1 32.4,69.9 21.5,69.9 21.5,72.3
  region: 30.2,70.6 30.1,70.7 30.1,72.7 31.8,72.7 31.8,70.7 31.9,70.6
  region: 32.6,72.7 32.6,78.4 37.9,78.4 37.9,94.3 36.4,94.3 36.4,98.4 36.5,98.5 41.1,98.5 41.1,80.3 49.8,80.3 54.1,80.3 54.73,80.3 54.73,78.3 52.7,78.3 52.7,68.4 32.7,68.4 32.7,70.3 32.6,70.4
  region: 50.8,80.9 42.1,80.9 42.1,85.8 42.2,85.9 43.4,85.9 43.4,82 50.8,82
  region: 52,81.1 52,82.7 44.3,82.7 44.3,85.4 44.1,85.6 44.1,87.1 45.9,87.1 45.7,86.9 45.7,83.8 51.9,83.8 53,83.8 53,83.2 53.3,82.9 53.3,81.1
  region: 5.7,110 0.9,110 0.9,115 0.9,129.8 13.8,129.8 15.1,128.5 15.1,124.4 14.4,124.4 12.1,124.4 12.1,129.1 3.1,129.1 3.1,127.4 3.1,126.4 3.1,116.8 3.4,116.5 5.9,116.5
  region: 7.1,127.5 7.1,128.5 8.1,128.5 10.4,128.5 10.4,120.6 7.1,120.6
  region: 12.2,116 12.1,116.1 12.1,122.9 14.6,122.9 14.6,116
  region: 10.3,115.9 7.8,115.9 7.6,116.1 7.6,117.3 4.2,117.3 3.9,117.6 3.9,119 10.2,119 10.3,119.1
  region: 14.7,101.3 14.7,106.6 25.7,106.6 26.6,107.5 26.6,113.8 26.7,113.9 26.6,114 26.6,115.1 26.6,115.5 27.2,115.5 27.7,115.5 27.7,107 26.1,105.4 16.4,105.4 16.4,102 16.4,101.3 15.7,101.3
  region: 13.9,99.5 0.771,99.5 0.771,109.1 10.9,109.1 10.9,110.2 12.5,110.2 24.2,110.2 24.2,110.3 24.6,110.7 24.6,120.9 21.5,120.9 21.5,115 15.7,115 15.7,124.7 23.8,124.7 26,124.7 26,122.5 26,108.1 25.2,107.3 13.9,107.3
  region: 10.4,111.6 10.4,110.7 6.7,110.7 6.5,110.9 6.5,114.5 6.5,114.9 6.9,114.9 8.2,114.9 8.2,113.8 10.4,113.8
  region: 14.6,111.4 12.1,111.4 12.1,111.5 12.1,111.6 12.1,113.9 22.2,113.9 22.2,120.2 23.7,120.2 23.9,120.2 23.9,112.4 22.9,111.4
  region: 16,125.4 16,126.8 16.2,127 26.7,127 29,124.7 29,118.4 29,105.6 29,104.1 27.5,104.1 26.7,104.1 26.7,101.7 25,101.7 24.9,101.8 25,101.9 25,104.9 26.5,104.9 28.2,106.6 28.2,117.8 26.9,117.8 26.9,119.8 26.5,120.2 26.5,125.3
  region: 34,111 34,113.5 31.1,113.5 30.5,114.1 30.5,125.9 31.8,125.9 31.8,128 28.8,128 28.8,126.2 29.5,126.2 29.5,111
  region: 19.7,103.5 19.7,99.8 19.9,99.6 34.2,99.6 34.2,103.9 32.6,103.9 32.6,101.3 32.4,101.1 21.5,101.1 21.5,103.5
  region: 30.2,101.8 30.1,101.9 30.1,103.9 31.8,103.9 31.8,101.9 31.9,101.8
  region: 32.6,103.9 32.6,109.6 37.9,109.6 37.9,125.5 36.4,125.5 36.4,129.6 36.5,129.7 41.1,129.7 41.1,111.5 49.8,111.5 54.1,111.5 54.73,111.5 54.73,109.5 52.7,109.5 52.7,99.6 32.7,99.6 32.7,101.5 32.6,101.6
  region: 50.8,112.1 42.1,112.1 42.1,117 42.2,117.1 43.4,117.1 43.4,113.2 50.8,113.2
  region: 52,112.3 52,113.9 44.3,113.9 44.3,116.6 44.1,116.8 44.1,118.3 45.9,118.3 45.7,118.1 45.7,115 51.9,115 53,115 53,114.4 53.3,114.1 53.3,112.3
  region: 5.7,141.2 0.9,141.2 0.9,146.2 0.9,161 13.8,161 15.1,159.7 15.1,155.6 14.4,155.6 12.1,155.6 12.1,160.3 3.1,160.3 3.1,158.6 3.1,157.6 3.1,148 3.4,147.7 5.9,147.7
  region: 7.1,158.7 7.1,159.7 8.1,159.7 10.4,159.7 10.4,151.8 7.1,151.8
  region: 12.2,147.2 12.1,147.3 12.1,154.1 14.6,154.1 14.6,147.2
  region: 10.3,147.1 7.8,147.1 7.6,147.3 7.6,148.5 4.2,148.5 3.9,148.8 3.9,150.2 10.2,150.2 10.3,150.3
  region: 14.7,132.5 14.7,137.8 25.7,137.8 26.6,138.7 26.6,145 26.7,145.1 26.6,145.2 26.6,146.3 26.6,146.7 27.2,146.7 27.7,146.7 27.7,138.2 26.1,136.6 16.4,136.6 16.4,133.2 16.4,132.5 15.7,132.5
  region: 13.9,130.7 0.771,130.7 0.771,140.3 10.9,140.3 10.9,141.4 12.5,141.4 24.2,141.4 24.2,141.5 24.6,141.9 24.6,152.1 21.5,152.1 21.5,146.2 15.7,146.2 15.7,155.9 23.8,155.9 26,155.9 26,153.7 26,139.3 25.2,138.5 13.9,138.5
  region: 10.4,142.8 10.4,141.9 6.7,141.9 6.5,142.1 6.5,145.7 6.5,146.1 6.9,146.1 8.2,146.1 8.2,145 10.4,145
  region: 14.6,142.6 12.1,142.6 12.1,142.7 12.1,142.8 12.1,145.1 22.2,145.1 22.2,151.4 23.7,151.4 23.9,151.4 23.9,143.6 22.9,142.6
  region: 16,156.6 16,158 16.2,158.2 26.7,158.2 29,155.9 29,149.6 29,136.8 29,135.3 27.5,135.3 26.7,135.3 26.7,132.9 25,132.9 24.9,133 25,133.1 25,136.1 26.5,136.1 28.2,137.8 28.2,149 26.9,149 26.9,151 26.5,151.4 26.5,156.5
  region: 34,142.2 34,144.7 31.1,144.7 30.5,145.3 30.5,157.1 31.8,157.1 31.8,159.2 28.8,159.2 28.8,157.4 29.5,157.4 29.5,142.2
  region: 19.7,134.7 19.7,131 19.9,130.8 34.2,130.8 34.2,135.1 32.6,135.1 32.6,132.5 32.4,132.3 21.5,132.3 21.5,134.7
  region: 30.2,133 30.1,133.1 30.1,135.1 31.8,135.1 31.8,133.1 31.9,133
  region: 32.6,135.1 32.6,140.8 37.9,140.8 37.9,156.7 36.4,156.7 36.4,160.8 36.5,160.9 41.1,160.9 41.1,142.7 49.8,142.7 54.1,142.7 54.73,142.7 54.73,140.7 52.7,140.7 52.7,130.8 32.7,130.8 32.7,132.7 32.6,132.8
  region: 50.8,143.3 42.1,143.3 42.1,148.2 42.2,148.3 43.4,148.3 43.4,144.4 50.8,144.4
  region: 52,143.5 52,145.1 44.3,145.1 44.3,147.8 44.1,148 44.1,149.5 45.9,149.5 45.7,149.3 45.7,146.2 51.9,146.2 53,146.2 53,145.6 53.3,145.3 53.3,143.5
  region: 5.7,172.2 0.9,172.2 0.9,177.2 0.9,192 13.8,192 15.1,190.7 15.1,186.6 14.4,186.6 12.1,186.6 12.1,191.3 3.1,191.3 3.1,189.6 3.1,188.6 3.1,179 3.4,178.7 5.9,178.7
  region: 7.1,189.7 7.1,190.7 8.1,190.7 10.4,190.7 10.4,182.8 7.1,182.8
  region: 12.2,178.2 12.1,178.3 12.1,185.1 14.6,185.1 14.6,178.2
  region: 10.3,178.1 7.8,178.1 7.6,178.3 7.6,179.5 4.2,179.5 3.9,179.8 3.9,181.2 10.2,181.2 10.3,181.3
  region: 14.7,163.5 14.7,168.8 25.7,168.8 26.6,169.7 26.6,176 26.7,176.1 26.6,176.2 26.6,177.3 26.6,177.7 27.2,177.7 27.7,177.7 27.7,169.2 26.1,167.6 16.4,167.6 16.4,164.2 16.4,163.5 15.7,163.5
  region: 13.9,161.7 0.771,161.7 0.771,171.3 10.9,171.3 10.9,172.4 12.5,172.4 24.2,172.4 24.2,172.5 24.6,172.9 24.6,183.1 21.5,183.1 21.5,177.2 15.7,177.2 15.7,186.9 23.8,186.9 26,186.9 26,184.7 26,170.3 25.2,169.5 13.9,169.5
  region: 10.4,173.8 10.4,172.9 6.7,172.9 6.5,173.1 6.5,176.7 6.5,177.1 6.9,177.1 8.2,177.1 8.2,176 10.4,176
  region: 14.6,173.6 12.1,173.6 12.1,173.7 12.1,173.8 12.1,176.1 22.2,176.1 22.2,182.4 23.7,182.4 23.9,182.4 23.9,174.6 22.9,173.6
  region: 16,187.6 16,189 16.2,189.2 26.7,189.2 29,186.9 29,180.6 29,167.8 29,166.3 27.5,166.3 26.7,166.3 26.7,163.9 25,163.9 24.9,164 25,164.1 25,167.1 26.5,167.1 28.2,168.8 28.2,180 26.9,180 26.9,182 26.5,182.4 26.5,187.5
  region: 34,173.2 34,175.7 31.1,175.7 30.5,176.3 30.5,188.1 31.8,188.1 31.8,190.2 28.8,190.2 28.8,188.4 29.5,188.4 29.5,173.2
  region: 19.7,165.7 19.7,162 19.9,161.8 34.2,161.8 34.2,166.1 32.6,166.1 32.6,163.5 32.4,163.3 21.5,163.3 21.5,165.7
  region: 30.2,164 30.1,164.1 30.1,166.1 31.8,166.1 31.8,164.1 31.9,164
  region: 32.6,166.1 32.6,171.8 37.9,171.8 37.9,187.7 36.4,187.7 36.4,191.8 36.5,191.9 41.1,191.9 41.1,173.7 49.8,173.7 54.1,173.7 54.73,173.7 54.73,171.7 52.7,171.7 52.7,161.8 32.7,161.8 32.7,163.7 32.6,163.8
  region: 50.8,174.3 42.1,174.3 42.1,179.2 42.2,179.3 43.4,179.3 43.4,175.4 50.8,175.4
  region: 52,174.5 52,176.1 44.1,176.1 44.1,179 44.1,180.5 45.9,180.5 45.7,180.3 45.7,177.2 51.9,177.2 53,177.2 53,176.6 53.3,176.3 53.3,174.5
  region net PWM_6: 64.5,177 64.4,177.1 64.4,178.6 70.9,178.6 71.2,178.3 70.7,177.8 70.7,105.1 72.9,105.1 73.1,104.9 73.1,103.3 71.1,103.3 70.8,103.6 70.4,103.6 69.7,103.6 69.7,105.6 69.7,176.4 69,177.1 68.6,177.1 68.5,177
  region net GND_N: 66.3,22.6 66.3,24.3 66.4,24.4 62.5,24.4 62.2,24.1 62.2,14.8 66.2,14.8 66.3,14.9 66.3,16.8 64,16.8 63.9,16.9 63.9,22.6
  region net GND_N: 62.1,22.6 62.1,46.9 62.1,88.6 66.1,88.6 66.1,85.9 66,85.8 63.8,85.8 63.8,80.2 64,80 66.6,80 66.6,57.1 66.6,54.6 66.3,54.3 63.9,54.3 63.9,48.7 64.1,48.5 66.6,48.5 66.6,22.6
  region net GND_N: 66.8,179.5 66.8,181.7 66.5,182 62.1,182 62.1,109.8 61.9,109.6 62,109.5 66.2,109.5 66.2,111.2 64,111.2 64,117 66.3,117 66.5,117.2 66.4,117.3 66.4,142.3 64.1,142.3 64,142.4 64,148.1 66.6,148.1 66.6,173.6 64.4,173.6 64.3,173.7 64.2,173.6 63.8,173.6 63.8,179.5
  region net 5V_N: 64.5,80.9 64.5,82.6 66.6,82.6 66.7,82.7 66.7,112 66.6,111.9 64.6,111.9 64.6,113.7 64.7,113.8 67.9,113.8 67.9,81.3 67.5,80.9
  region net PWM_2: 73.2,93.1 73.3,93.2 73.3,94.9 69.8,94.9 69.1,94.2 69.1,53.6 69,53.5 64.6,53.5 64.6,51.9 64.5,51.8 70.6,51.8 70.4,52 70.4,93.1
  region net PWM_1: 64.5,20.1 64.5,21.8 69.2,21.8 71.2,23.8 71.2,92.3 71.3,92.2 74,92.2 74,67.9 74.1,67.8 74.1,20.1
  region net PWM_5: 64.5,147.3 64.6,147.4 69.2,147.4 69.2,102.8 69.6,102.4 72.9,102.4 73,102.3 73,100.8 68.7,100.8 68.4,101.1 68.4,145.1 67.9,145.6 64.6,145.6 64.5,145.7
  region net 5V_N: 71.2,110 71.2,108.6 71.6,108.2 75.9,108.2 75.9,109.2 75.9,146.7 72.3,146.7 72,147 71.8,146.8 71.8,110.8

## Silkscreen, mask and mechanical layers (free items; w line width, h text height)
Top Overlay:
  lines w0.05: 110.239,76.57 110.339,76.47
  text "S" at 2.3,187.4 h0.7
  text "D" at 1.5,182.7 h0.7
  text "IN-" at 68.5,180.1 h0.7
  text "S" at 1.5,179.9 h0.7
  text "PWM_6" at 68.5,177.4 h0.7
  text "G" at 1.6,177.3 h0.7
  text "5V_D" at 68.5,175 h0.7
  text "5V_D" at 58.5,174.66 h0.7
  text "G" at 2.4,172.8 h0.7
  text "GND_D" at 58.3,172.4 h0.7
  text "GND_D" at 68.5,172.2 h0.7
  text "+" at 10.7,169.6 h0.7
  text "+" at 16.5,169.6 h0.7
  text "+" at 23.4,169.6 h0.7
  text "+" at 29.1,169.6 h0.7
  text "-" at 15.9,167.2 h0.7
  text "-" at 21.8,167.2 h0.7
  text "-" at 28.4,167.2 h0.7
  text "-" at 34.2,167.2 h0.7
  text "S" at 2.3,156.4 h0.7
  text "D" at 1.5,151.7 h0.7
  text "S" at 1.5,148.9 h0.7
  text "IN-" at 68.7,148.8 h0.7
  text "G" at 1.6,146.3 h0.7
  text "PWM_5" at 68.7,146.1 h0.7
  text "5V_D" at 68.7,143.7 h0.7
  text "5V_D" at 58.5,143.66 h0.7
  text "G" at 2.4,141.8 h0.7
  text "GND_D" at 58.3,141.4 h0.7
  text "GND_D" at 68.7,140.9 h0.7
  text "+" at 10.7,138.6 h0.7
  text "+" at 16.5,138.6 h0.7
  text "+" at 23.4,138.6 h0.7
  text "+" at 29.1,138.6 h0.7
  text "-" at 15.9,136.2 h0.7
  text "-" at 21.8,136.2 h0.7
  text "-" at 28.4,136.2 h0.7
  text "-" at 34.2,136.2 h0.7
  text "S" at 2.3,125.2 h0.7
  text "D" at 1.5,120.5 h0.7
  text "S" at 1.5,117.7 h0.7
  text "IN-" at 68.5,117.6 h0.7
  text "G" at 1.6,115.1 h0.7
  text "PWM_4" at 68.5,114.9 h0.7
  text "5V_D" at 58.5,112.46 h0.7
  text "G" at 2.4,110.6 h0.7
  text "GND_D" at 58.3,110.2 h0.7
  text "5V_D" at 74.8,108.4 h0.7
  text "+" at 10.7,107.4 h0.7
  text "+" at 16.5,107.4 h0.7
  text "+" at 23.4,107.4 h0.7
  text "+" at 29.1,107.4 h0.7
  text "GND_D" at 74.5,105.683 h0.7
  text "-" at 15.9,105 h0.7
  text "-" at 21.8,105 h0.7
  text "-" at 28.4,105 h0.7
  text "-" at 34.2,105 h0.7
  text "PWM_6" at 74.7,103.5 h0.7
  text "PWM_5" at 74.8,100.9 h0.7
  text "PWM_4" at 74.7,98.6 h0.7
  text "PWM_3" at 74.7,96 h0.7
  text "S" at 2.3,94 h0.7
  text "PWM_2" at 74.7,93.4 h0.7
  text "PWM_1" at 74.7,90.9 h0.7
  text "D" at 1.5,89.3 h0.7
  text "S" at 1.5,86.5 h0.7
  text "IN-" at 68.6,86.4 h0.7
  text "G" at 1.6,83.9 h0.7
  text "PWM_3" at 68.6,83.7 h0.7
  text "5V_D" at 68.6,81.3 h0.7
  text "5V_D" at 58.5,81.26 h0.7
  text "G" at 2.4,79.4 h0.7
  text "GND_D" at 58.3,79 h0.7
  text "GND_D" at 68.6,78.5 h0.7
  text "+" at 10.7,76.2 h0.7
  text "+" at 16.5,76.2 h0.7
  text "+" at 23.4,76.2 h0.7
  text "+" at 29.1,76.2 h0.7
  text "-" at 15.9,73.8 h0.7
  text "-" at 21.8,73.8 h0.7
  text "-" at 28.4,73.8 h0.7
  text "-" at 34.2,73.8 h0.7
  text "S" at 2.3,62.4 h0.7
  text "D" at 1.5,57.7 h0.7
  text "IN-" at 68.6,55 h0.7
  text "S" at 1.5,54.9 h0.7
  text "G" at 1.6,52.3 h0.7
  text "PWM_2" at 68.6,52.3 h0.7
  text "5V_D" at 68.6,49.9 h0.7
  text "5V_D" at 58.5,49.66 h0.7
  text "G" at 2.4,47.8 h0.7
  text "GND_D" at 58.3,47.4 h0.7
  text "GND_D" at 68.6,47.1 h0.7
  text "+" at 10.7,44.6 h0.7
  text "+" at 16.5,44.6 h0.7
  text "+" at 23.4,44.6 h0.7
  text "+" at 29.1,44.6 h0.7
  text "-" at 15.9,42.2 h0.7
  text "-" at 21.8,42.2 h0.7
  text "-" at 28.4,42.2 h0.7
  text "-" at 34.2,42.2 h0.7
  text "S" at 2.2,30.7 h0.7
  text "D" at 1.4,26 h0.7
  text "IN-" at 68.6,23.3 h0.7
  text "S" at 1.4,23.2 h0.7
  text "G" at 1.5,20.6 h0.7
  text "PWM_1" at 68.6,20.6 h0.7
  text "5V_D" at 68.6,18.2 h0.7
  text "5V_D" at 58.4,17.96 h0.7
  text "G" at 2.3,16.1 h0.7
  text "GND_D" at 58.2,15.7 h0.7
  text "GND_D" at 68.6,15.4 h0.7
  text "+" at 10.6,12.9 h0.7
  text "+" at 16.4,12.9 h0.7
  text "+" at 23.3,12.9 h0.7
  text "+" at 29,12.9 h0.7
  text "-" at 15.8,10.5 h0.7
  text "-" at 21.7,10.5 h0.7
  text "-" at 28.3,10.5 h0.7
  text "-" at 34.1,10.5 h0.7